# Altium PCB SEEED ORDER METER (BOOTSTRAP).PcbDoc (part 3 of 3)
Units mm, origin at the board's own origin, x right, y up, seen from the top; angles counter-clockwise.
Board outline 150 x 100 mm, 2 copper layers (Top Layer, Bottom Layer); 267 components, 189 nets, 839 pads, 266 vias.
Unrouted connection lines stored in the file: 4.
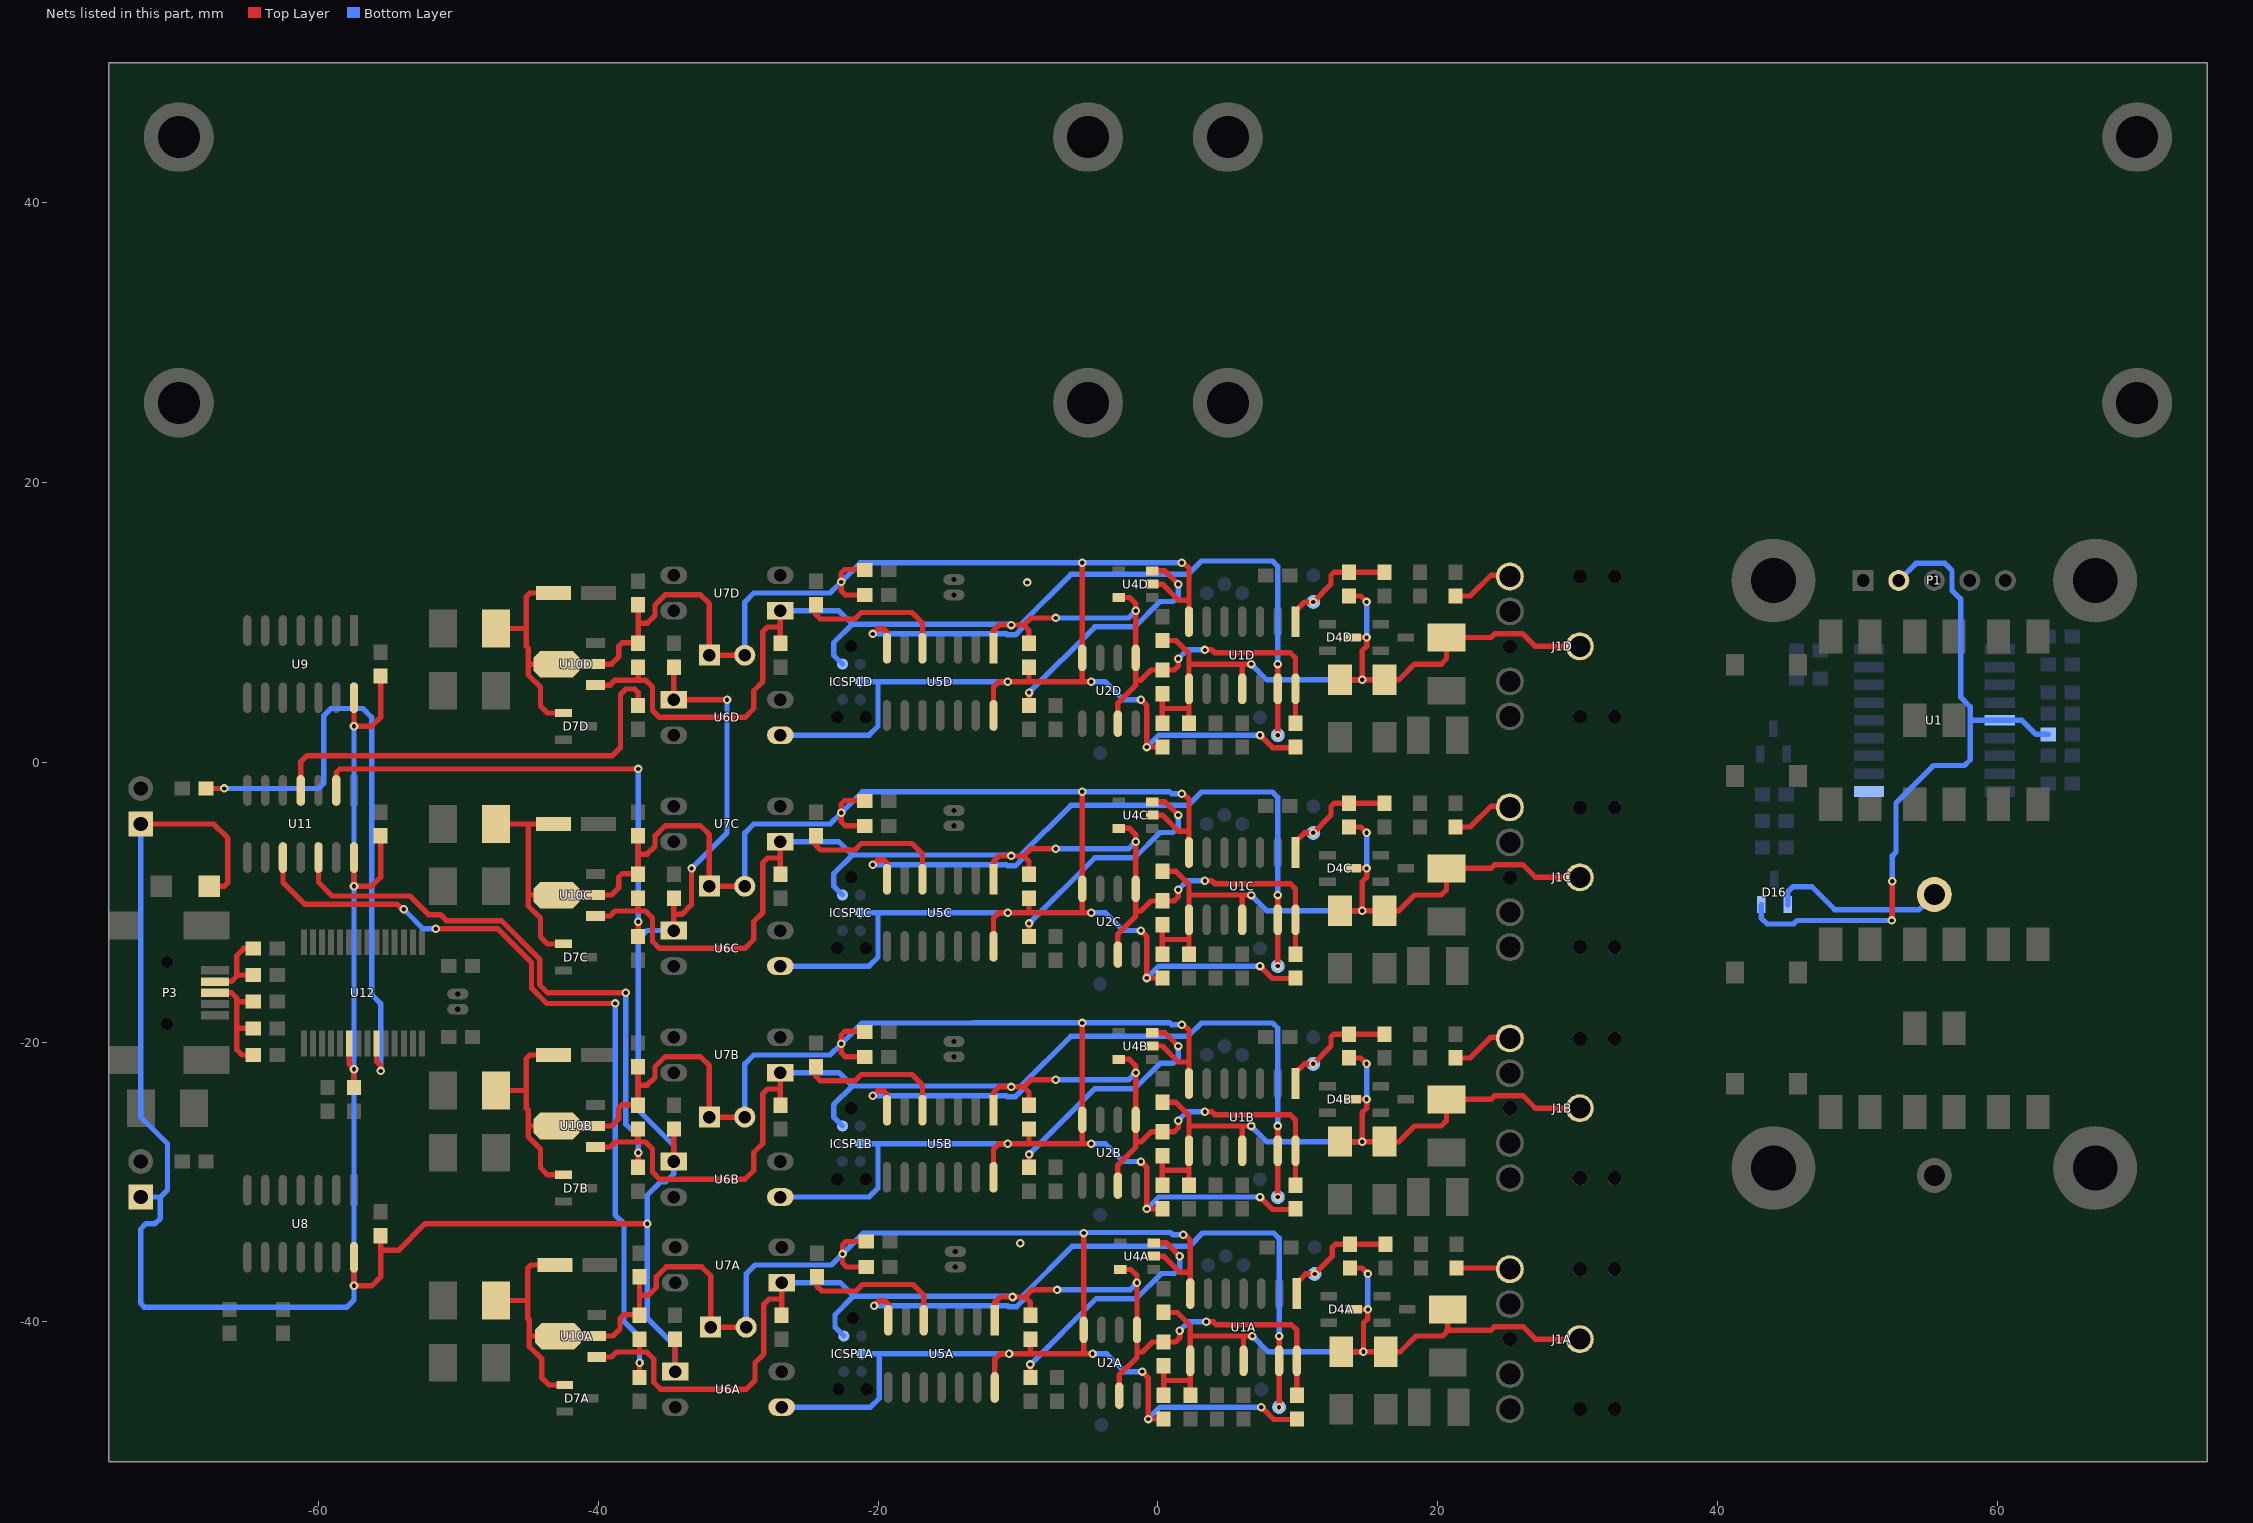
[diagram p3: the nets of this part, all layers, seen from the top]

## Via types
v1: diameter 0.61, hole 0.305, Top Layer to Bottom Layer, 266 vias

## Nets (pads, with @x,y where several pads share a name; then routed paths per layer and width w, separated by ;. In a path a pad name is that pad's centre, name@x,y a point inside that pad or via, vN(x,y) a via of type N, cw(c..) or ccw(c..) an arc to the next point about the centre after c; other vN are vias at no path point) (continued)
TTL_TX1: R20A.1 U11.10 | length 57.8
  Top Layer w0.381: U11.10@-62.554,-6.807 -62.554,-8.598 -61.017,-10.135 -54.413,-10.135 -53.918,-10.63 v1(-53.918,-10.503) ; v1(-51.632,-11.9) -47.192,-11.9 -44.787,-14.305 -44.787,-16.142 -43.695,-17.234 v1(-38.805,-17.234) ; R20A.1@-37.06,-43.976 v1(-37.06,-42.921)
  Bottom Layer w0.381: v1(-53.918,-10.503) -52.521,-11.9 v1(-51.632,-11.9) ; v1(-38.805,-17.234) -38.805,-32.347 -38.17,-32.982 -38.17,-39.967 -37.06,-41.077 v1(-37.06,-42.921)
TTL_TX2: R20B.1 U11.12 | length 40.9
  Top Layer w0.381: U11.12@-60.014,-6.807 -60.014,-8.57 -59.033,-9.55 -53.473,-9.55 -52.14,-10.884 -51.302,-10.884 -50.87,-11.316 -46.95,-11.316 -44.202,-14.063 -44.202,-15.9 -43.631,-16.472 v1(-38.043,-16.472) ; R20B.1@-37.154,-28.957 v1(-37.154,-27.902)
  Bottom Layer w0.381: v1(-38.043,-16.472) -38.043,-25.87 -37.154,-26.759 v1(-37.154,-27.902)
TTL_TX3: R20C.1 U11.2 | length 35
  Top Layer w0.381: U11.2@-58.744,-2.007 -58.744,-0.724 -58.49,-0.47 v1(-37.154,-0.47) ; R20C.1@-37.154,-12.447 v1(-37.154,-11.392)
  Bottom Layer w0.381: v1(-37.154,-11.392) v1(-37.154,-0.47)
TTL_TX4: R20D.1 U11.4 | length 31.6
  Top Layer w0.381: U11.4@-61.284,-2.007 -61.284,0.038 -60.839,0.483 -38.995,0.483 -38.424,1.054 -38.424,4.864 -38.043,5.245 -37.408,5.245 -37.154,4.991 R20D.1@-37.154,4.063
TX_TTLA: R22A.2 U5A.5 | length 10.3
  Top Layer w0.381: R22A.2@-24.36,-37.079 -24.36,-37.46 -24.03,-37.79 -21.578,-37.79 -21.117,-37.33 -17.502,-37.33 -16.74,-38.092 U5A.5@-16.74,-39.746
TX_TTLB: R22B.2 U5B.5 | length 10.3
  Top Layer w0.381: R22B.2@-24.454,-22.06 -24.454,-22.441 -24.124,-22.771 -21.672,-22.771 -21.211,-22.311 -17.596,-22.311 -16.834,-23.073 U5B.5@-16.834,-24.727
TX_TTLC: R22C.2 U5C.5 | length 10.3
  Top Layer w0.381: R22C.2@-24.454,-5.55 -24.454,-5.931 -24.124,-6.261 -21.672,-6.261 -21.211,-5.801 -17.596,-5.801 -16.834,-6.563 U5C.5@-16.834,-8.217
TX_TTLD: R22D.2 U5D.5 | length 10.3
  Top Layer w0.381: R22D.2@-24.454,10.96 -24.454,10.579 -24.124,10.249 -21.672,10.249 -21.211,10.709 -17.596,10.709 -16.834,9.947 U5D.5@-16.834,8.293
TXLED: R27.1 U12.23 | length 44.9
  Top Layer w0.381: R27.1@-68.054,-1.867 v1(-66.745,-1.867) ; U12.23@-55.864,-20.097 -55.864,-21.384 -55.569,-21.679 v1(-55.569,-22.06)
  Bottom Layer w0.381: v1(-66.745,-1.867) -60.014,-1.867 -59.633,-1.486 -59.633,3.34 -59.125,3.848 -56.839,3.848 -56.204,3.213 -56.204,-16.599 -55.569,-17.234 v1(-55.569,-22.06)
USB+: D11.2@-64.674,-19.012 P3.3 R26.1 R28.2 | length 9.2
  Top Layer w0.381: P3.3@-67.409,-16.472 -66.237,-16.472 -65.856,-16.853 -65.856,-16.968 ; R28.2@-64.674,-20.917 -65.475,-20.917 -65.856,-20.536 -65.856,-19.075 ; D11.2@-64.674,-19.012 -65.792,-19.012 -65.856,-19.075 ; R26.1@-64.674,-17.107 -65.717,-17.107 -65.856,-16.968 ; -65.856,-19.075 -65.856,-16.968
USB-: D10.2@-64.674,-13.297 P3.2 R25.1 | length 5.8
  Top Layer w0.381: P3.2@-67.409,-15.672 -66.237,-15.672 -65.856,-15.291 -65.856,-15.202 ; R25.1@-64.674,-15.202 -65.856,-15.202 ; D10.2@-64.674,-13.297 -65.348,-13.297 -65.856,-13.805 -65.856,-15.202
V2.048A: R17A.1 U4A.3 | length 17.5
  Top Layer w0.381: R17A.1@-9.12,-43.976 v1(-9.12,-43.048) ; U4A.3@-0.3,-34.351 0.598,-34.351 v1(1.548,-35.301)
  Bottom Layer w0.381: v1(-9.12,-43.048) -4.421,-38.349 -1.564,-38.349 0.245,-36.54 1.167,-36.54 1.548,-36.159 v1(1.548,-35.301)
V2.048B: R17B.1 U4B.3 | length 17.5
  Top Layer w0.381: R17B.1@-9.214,-28.957 v1(-9.214,-28.029) ; U4B.3@-0.394,-19.332 0.504,-19.332 v1(1.454,-20.282)
  Bottom Layer w0.381: v1(-9.214,-28.029) -4.515,-23.33 -1.658,-23.33 0.151,-21.521 1.073,-21.521 1.454,-21.14 v1(1.454,-20.282)
V2.048C: R17C.1 U4C.3 | length 17.5
  Top Layer w0.381: R17C.1@-9.214,-12.447 v1(-9.214,-11.519) ; U4C.3@-0.394,-2.822 0.504,-2.822 v1(1.454,-3.772)
  Bottom Layer w0.381: v1(-9.214,-11.519) -4.515,-6.82 -1.658,-6.82 0.151,-5.011 1.073,-5.011 1.454,-4.63 v1(1.454,-3.772)
V2.048D: R17D.1 U4D.3 | length 17.5
  Top Layer w0.381: R17D.1@-9.214,4.063 v1(-9.214,4.991) ; U4D.3@-0.394,13.688 0.504,13.688 v1(1.454,12.738)
  Bottom Layer w0.381: v1(-9.214,4.991) -4.515,9.69 -1.658,9.69 0.151,11.499 1.073,11.499 1.454,11.88 v1(1.454,12.738)
V_GND1: C2A.1 C3A.2 D1A.2 D2A.1 D4A.3 J1A.1 R1A.1 R7A.1 R10A.2 R18A.2 U1A.8 U1A.11 | length 53.7
  Top Layer w0.381: C3A.2@0.405,-45.246 0.405,-44.191 ; C2A.1@0.405,-43.136 0.405,-44.191 ; R18A.2@0.405,-39.326 1.382,-39.326 2.31,-40.254 2.31,-41.016 ; R1A.1@2.31,-45.246 2.31,-44.191 ; U1A.11@6.12,-42.781 6.12,-41.016 ; v1@6.628,-41.016 6.12,-41.016 ; D2A.1@13.105,-42.134 v1(14.693,-42.134) ; R10A.2@13.74,-36.151 14.59,-36.151 v1(15.01,-36.571) ; D4A.3@14.005,-39.111 v1(15.01,-39.111) 15.01,-39.746 14.693,-40.063 v1(14.693,-42.134) ; 20.631,-40.602 20.725,-40.602 ; R7A.1@20.725,-39.111 20.725,-40.602 ; J1A.1@30.156,-41.237 26.981,-41.237 26.087,-40.343 24.065,-40.343 23.806,-40.602 20.725,-40.602 ; 0.405,-44.191 2.31,-44.191 ; 2.31,-44.191 U1A.8@2.31,-42.781 2.31,-41.016 ; 2.31,-41.016 6.12,-41.016 ; v1(14.693,-42.134) 17.321,-42.134 18.439,-41.016 20.344,-41.016 20.725,-40.635 20.725,-40.602
  Bottom Layer w0.381: v1(6.755,-41.016) 7.873,-42.134 v1(14.693,-42.134) ; v1(15.01,-39.111) v1(15.01,-36.571)
V_GND2: C2B.1 C3B.2 D1B.2 D2B.1 D4B.3 J1B.1 R1B.1 R7B.1 R10B.2 R18B.2 U1B.8 U1B.11 | length 53.7
  Top Layer w0.381: C3B.2@0.311,-30.227 0.311,-29.172 ; C2B.1@0.311,-28.117 0.311,-29.172 ; R18B.2@0.311,-24.307 1.288,-24.307 2.216,-25.235 2.216,-25.997 ; R1B.1@2.216,-30.227 2.216,-29.172 ; U1B.11@6.026,-27.762 6.026,-25.997 ; v1@6.534,-25.997 6.026,-25.997 ; D2B.1@13.011,-27.115 v1(14.599,-27.115) ; R10B.2@13.646,-21.132 14.496,-21.132 v1(14.916,-21.552) ; D4B.3@13.911,-24.092 v1(14.916,-24.092) 14.916,-24.727 14.599,-25.044 v1(14.599,-27.115) ; J1B.1@30.156,-24.727 26.981,-24.727 26.087,-23.833 24.065,-23.833 23.806,-24.092 R7B.1@20.631,-24.092 20.631,-25.616 20.25,-25.997 18.345,-25.997 17.227,-27.115 v1(14.599,-27.115) ; 0.311,-29.172 2.216,-29.172 ; 2.216,-29.172 U1B.8@2.216,-27.762 2.216,-25.997 ; 2.216,-25.997 6.026,-25.997
  Bottom Layer w0.381: v1(6.661,-25.997) 7.779,-27.115 v1(14.599,-27.115) ; v1(14.916,-24.092) v1(14.916,-21.552)
V_GND3: C2C.1 C3C.2 D1C.2 D2C.1 D4C.3 J1C.1 R1C.1 R7C.1 R10C.2 R18C.2 U1C.8 U1C.11 | length 53.7
  Top Layer w0.381: C3C.2@0.311,-13.717 0.311,-12.662 ; C2C.1@0.311,-11.607 0.311,-12.662 ; R18C.2@0.311,-7.797 1.288,-7.797 2.216,-8.725 2.216,-9.487 ; R1C.1@2.216,-13.717 2.216,-12.662 ; U1C.11@6.026,-11.252 6.026,-9.487 ; v1@6.534,-9.487 6.026,-9.487 ; D2C.1@13.011,-10.605 v1(14.599,-10.605) ; R10C.2@13.646,-4.622 14.496,-4.622 v1(14.916,-5.042) ; D4C.3@13.911,-7.582 v1(14.916,-7.582) 14.916,-8.217 14.599,-8.534 v1(14.599,-10.605) ; J1C.1@30.156,-8.217 26.981,-8.217 26.087,-7.323 24.065,-7.323 23.806,-7.582 R7C.1@20.631,-7.582 20.631,-9.106 20.25,-9.487 18.345,-9.487 17.227,-10.605 v1(14.599,-10.605) ; 0.311,-12.662 2.216,-12.662 ; 2.216,-12.662 U1C.8@2.216,-11.252 2.216,-9.487 ; 2.216,-9.487 6.026,-9.487
  Bottom Layer w0.381: v1(6.661,-9.487) 7.779,-10.605 v1(14.599,-10.605) ; v1(14.916,-7.582) v1(14.916,-5.042)
V_GND4: C2D.1 C3D.2 D1D.2 D2D.1 D4D.3 J1D.1 R1D.1 R7D.1 R10D.2 R18D.2 U1D.8 U1D.11 | length 53.7
  Top Layer w0.381: C3D.2@0.311,2.793 0.311,3.848 ; C2D.1@0.311,4.903 0.311,3.848 ; R18D.2@0.311,8.713 1.288,8.713 2.216,7.785 2.216,7.023 ; R1D.1@2.216,2.793 2.216,3.848 ; U1D.11@6.026,5.258 6.026,7.023 ; v1@6.534,7.023 6.026,7.023 ; D2D.1@13.011,5.905 v1(14.599,5.905) ; R10D.2@13.646,11.888 14.496,11.888 v1(14.916,11.468) ; D4D.3@13.911,8.928 v1(14.916,8.928) 14.916,8.293 14.599,7.976 v1(14.599,5.905) ; J1D.1@30.156,8.293 26.981,8.293 26.087,9.187 24.065,9.187 23.806,8.928 R7D.1@20.631,8.928 20.631,7.404 20.25,7.023 18.345,7.023 17.227,5.905 D1D.2@16.186,5.905 v1(14.599,5.905) ; 0.311,3.848 2.216,3.848 ; 2.216,3.848 U1D.8@2.216,5.258 2.216,7.023 ; 2.216,7.023 6.026,7.023
  Bottom Layer w0.381: v1(6.661,7.023) 7.779,5.905 v1(14.599,5.905) ; v1(14.916,8.928) v1(14.916,11.468)
V_SELECT1: TP7A.1 U1A.13 U5A.7 | length 45.9
  Top Layer w0.381: v1(-20.296,-38.857) -19.937,-38.498 -19.512,-38.498 -19.28,-38.73 U5A.7@-19.28,-39.746 ; v1(8.66,-46.096) U1A.13@8.66,-42.781 v1(8.66,-41.016)
  Bottom Layer w0.381: v1(-20.296,-38.857) -10.743,-38.857 -10.679,-38.92 -10.101,-38.92 -9.628,-38.448 -9.628,-38.095 -6.135,-34.602 2.247,-34.602 3.199,-33.65 8.279,-33.65 8.66,-34.031 v1(8.66,-41.016)
V_SELECT2: TP7B.1 U1B.13 U5B.7 | length 45.9
  Top Layer w0.381: v1(-20.39,-23.838) -20.031,-23.479 -19.606,-23.479 -19.374,-23.711 U5B.7@-19.374,-24.727 ; v1(8.566,-31.077) U1B.13@8.566,-27.762 v1(8.566,-25.997)
  Bottom Layer w0.381: v1(-20.39,-23.838) -10.837,-23.838 -10.773,-23.901 -10.195,-23.901 -9.722,-23.429 -9.722,-23.076 -6.229,-19.583 2.153,-19.583 3.105,-18.631 8.185,-18.631 8.566,-19.012 v1(8.566,-25.997)
V_SELECT3: TP7C.1 U1C.13 U5C.7 | length 45.9
  Top Layer w0.381: v1(-20.39,-7.328) -20.031,-6.969 -19.606,-6.969 -19.374,-7.201 U5C.7@-19.374,-8.217 ; v1(8.566,-14.567) U1C.13@8.566,-11.252 v1(8.566,-9.487)
  Bottom Layer w0.381: v1(-20.39,-7.328) -10.837,-7.328 -10.773,-7.391 -10.195,-7.391 -9.722,-6.919 -9.722,-6.566 -6.229,-3.073 2.153,-3.073 3.105,-2.121 8.185,-2.121 8.566,-2.502 v1(8.566,-9.487)
V_SELECT4: TP7D.1 U1D.13 U5D.7 | length 45.9
  Top Layer w0.381: v1(-20.39,9.182) -20.031,9.541 -19.606,9.541 -19.374,9.309 U5D.7@-19.374,8.293 ; v1(8.566,1.943) U1D.13@8.566,5.258 v1(8.566,7.023)
  Bottom Layer w0.381: v1(-20.39,9.182) -10.837,9.182 -10.773,9.119 -10.195,9.119 -9.722,9.591 -9.722,9.944 -6.229,13.437 2.153,13.437 3.105,14.389 8.185,14.389 8.566,14.008 v1(8.566,7.023)
VBATT: BT1.1 D16.1 | length 12.7
  Bottom Layer w0.381: D16.1@45.02,-10.17 45.02,-9.27 45.401,-8.889 46.737,-8.889 48.388,-10.54 54.41,-10.54 BT1.1@55.5,-9.45
VCC: C1.2 C19.2 C20.2 C21.2 C22.1 D8.1@-72.721,-31.079 D9.1@-72.721,-4.409 D16.2 F2.2 P1.2 R21A.1 R21B.1 R21C.1 R21D.1 U1.14 U6A.1 U6B.1 U6C.1 U6D.1 U8.14 U9.14 U11.14 U12.20 | length 267.5
  Top Layer w0.381: D9.1@-72.721,-4.409 -67.505,-4.409 -66.491,-5.423 -66.491,-8.598 -66.745,-8.852 F2.2@-67.824,-8.852 ; U12.20@-57.814,-20.097 -57.814,-21.593 v1(-57.474,-21.933) C22.1@-57.474,-23.242 ; U8.14@-57.474,-35.382 v1(-57.474,-37.427) -56.204,-37.427 -55.569,-36.792 -55.569,-34.887 ; U11.14@-57.474,-6.807 v1(-57.474,-8.852) -56.204,-8.852 -55.569,-8.217 C19.2@-55.569,-5.257 ; U9.14@-57.474,4.623 v1(-57.474,2.578) -56.204,2.578 -55.569,3.213 C21.2@-55.569,6.173 ; C20.2@-55.569,-33.832 -55.569,-34.887 ; v1(-36.519,-32.982) -52.394,-32.982 -54.299,-34.887 -55.569,-34.887 ; U6B.1@-34.614,-28.537 R21B.1@-34.614,-26.212 ; U6C.1@-34.614,-12.027 -34.614,-10.864 ; R21C.1@-34.614,-9.702 -34.614,-10.864 ; R21D.1@-34.614,6.808 U6D.1@-34.614,4.483 v1(-30.804,4.483) ; U6A.1@-34.52,-43.556 R21A.1@-34.52,-41.231 ; v1(-33.344,-7.582) -33.344,-10.176 -34.033,-10.864 -34.614,-10.864 ; v1(52.452,-11.302) 52.5,-11.35 v1(52.5,-8.5)
  Bottom Layer w0.381: D8.1@-72.721,-31.079 -71.319,-31.079 ; D9.1@-72.721,-4.409 -72.721,-25.355 -70.809,-27.267 -70.809,-30.569 -71.319,-31.079 ; v1(-57.474,2.578) v1(-57.474,-8.852) v1(-57.474,-21.933) v1(-57.474,-37.427) -57.474,-38.443 -57.982,-38.951 -72.46,-38.951 -72.721,-38.69 -72.721,-33.363 -72.34,-32.982 -71.698,-32.982 -71.319,-32.603 -71.319,-31.079 ; U6C.1@-34.614,-12.027 -36.519,-12.027 -37.154,-12.662 -37.154,-24.854 -34.614,-27.394 U6B.1@-34.614,-28.537 -34.614,-29.426 -35.185,-29.997 -35.566,-29.997 -36.519,-30.95 v1(-36.519,-32.982) -36.519,-39.713 -34.52,-41.712 U6A.1@-34.52,-43.556 ; v1(-33.344,-7.582) -30.804,-5.042 v1(-30.804,4.483) ; D16.2@43.12,-10.17 43.12,-11.12 43.56,-11.56 45.44,-11.56 45.698,-11.302 v1(52.452,-11.302) ; v1(52.5,-8.5) 52.5,-6.682 52.765,-6.417 52.765,-2.909 55.448,-0.226 57.659,-0.226 58.071,0.187 58.071,2.855 ; P1.2@52.96,13 54.185,14.225 56.262,14.225 56.77,13.717 56.77,12.295 57.38,11.685 57.38,4.661 58.071,3.969 58.071,2.855 ; C1.2@63.65,2 62.772,2 61.772,3 U1.14@60.175,3 58.216,3 58.071,2.855
VCOMP: U1.1
VNEG1: C1A.1 C3A.1 C11A.2 C12A.1 C13A.1 C14A.2 C15A.1 C16A.2 C17A.2 D7A.1 ICSP1A.3 P2A.1 P2A.2 U1A.7 U2A.4 U4A.2 U5A.14 U6A.3 U10A.2 | length 146.6
  Top Layer w0.381: C14A.2@-46.585,-38.476 -45.061,-38.476 ; C11A.2@-43.105,-35.936 -44.807,-35.936 -45.061,-36.19 -45.061,-38.476 ; D7A.1@-42.405,-44.511 -43.537,-44.511 -44.045,-44.003 -44.045,-42.667 -44.934,-41.778 -44.934,-41.016 ; C12A.1@-37.06,-36.786 -37.06,-38.095 ; P2A.2@-29.44,-40.381 P2A.1@-31.98,-40.381 -31.98,-36.698 -32.615,-36.063 -35.149,-36.063 -35.866,-36.78 -35.866,-37.536 -36.425,-38.095 -37.06,-38.095 ; C16A.2@-20.859,-36.072 -22.253,-36.072 -22.549,-35.776 v1(-22.549,-35.141) -22.549,-34.506 -22.295,-34.252 C17A.2@-20.859,-34.252 ; U5A.14@-11.66,-44.686 -11.66,-42.667 -11.279,-42.286 v1(-10.644,-42.286) -9.12,-42.286 ; C15A.1@-9.12,-41.231 -9.12,-42.286 ; v1(-5.31,-33.65) U2A.4@-5.31,-40.571 -5.31,-42.286 ; v1@-4.929,-42.286 -5.31,-42.286 ; v1(-1.119,-43.556) -0.699,-43.976 v1(-0.699,-46.946) C3A.1@0.405,-46.946 ; U4A.2@-0.3,-35.301 0.405,-35.301 1.548,-36.444 2.31,-36.444 ; v1(1.802,-33.777) 1.929,-33.777 2.31,-34.158 2.31,-36.444 ; U1A.7@2.31,-37.981 2.31,-36.444 ; v1(7.39,-46.096) 8.279,-46.985 9.891,-46.985 C1A.1@9.93,-46.946 ; -45.061,-38.476 -45.061,-39.746 -44.934,-39.873 -44.934,-41.016 ; -44.934,-41.016 U10A.2@-42.892,-41.016 U10A.2@-40.342,-41.016 -38.965,-41.016 -38.457,-40.508 -38.457,-39.746 -38.203,-39.492 -37.06,-39.492 -37.06,-38.095 ; -9.12,-42.286 -5.31,-42.286
  Bottom Layer w0.381: P2A.2@-29.44,-40.381 -29.44,-36.571 -28.805,-35.936 -23.344,-35.936 v1(-22.549,-35.141) -21.058,-33.65 v1(-5.31,-33.65) ; U6A.3@-26.9,-46.096 -20.55,-46.096 -19.915,-45.461 -19.915,-42.319 -19.882,-42.286 ; ICSP1A.3@-21.185,-42.286 -19.882,-42.286 ; v1(-10.644,-42.286) -19.882,-42.286 ; v1@-5.277,-33.617 0.898,-33.617 1.058,-33.777 v1(1.802,-33.777) ; v1(-4.675,-42.286) -3.659,-42.286 -2.389,-43.556 v1(-1.119,-43.556) ; v1(-0.699,-46.946) 0.151,-46.096 v1(7.39,-46.096)
  other v1: -9.849,-34.379
VNEG2: C1B.1 C3B.1 C11B.2 C12B.1 C13B.1 C14B.2 C15B.1 C16B.2 C17B.2 D7B.1 ICSP1B.3 P2B.1 P2B.2 U1B.7 U2B.4 U4B.2 U5B.14 U6B.3 U10B.2 | length 154.5
  Top Layer w0.381: C14B.2@-46.679,-23.457 -45.155,-23.457 ; C11B.2@-43.199,-20.917 -44.901,-20.917 -45.155,-21.171 -45.155,-23.457 ; D7B.1@-42.499,-29.492 -43.631,-29.492 -44.139,-28.984 -44.139,-27.648 -45.028,-26.759 -45.028,-25.997 ; C12B.1@-37.154,-21.767 -37.154,-23.076 ; P2B.2@-29.534,-25.362 P2B.1@-32.074,-25.362 -32.074,-21.679 -32.709,-21.044 -35.243,-21.044 -35.96,-21.761 -35.96,-22.517 -36.519,-23.076 -37.154,-23.076 ; C16B.2@-20.953,-21.053 -22.347,-21.053 -22.643,-20.757 v1(-22.643,-20.122) -22.643,-19.487 -22.389,-19.233 C17B.2@-20.953,-19.233 ; U5B.14@-11.754,-29.667 -11.754,-27.648 -11.373,-27.267 v1(-10.738,-27.267) -9.214,-27.267 ; C15B.1@-9.214,-26.212 -9.214,-27.267 ; v1(-5.404,-18.631) U2B.4@-5.404,-25.552 -5.404,-27.267 ; v1@-5.023,-27.267 -5.404,-27.267 ; v1(-1.213,-28.537) -0.793,-28.957 v1(-0.793,-31.927) C3B.1@0.311,-31.927 ; U4B.2@-0.394,-20.282 0.311,-20.282 1.454,-21.425 2.216,-21.425 ; v1(1.708,-18.758) 1.835,-18.758 2.216,-19.139 2.216,-21.425 ; U1B.7@2.216,-22.962 2.216,-21.425 ; v1(7.296,-31.077) 8.185,-31.966 9.797,-31.966 C1B.1@9.836,-31.927 ; -45.155,-23.457 -45.155,-24.727 -45.028,-24.854 -45.028,-25.997 ; -45.028,-25.997 U10B.2@-42.986,-25.997 U10B.2@-40.436,-25.997 -39.059,-25.997 -38.551,-25.489 -38.551,-24.727 -38.297,-24.473 -37.154,-24.473 -37.154,-23.076 ; -9.214,-27.267 -5.404,-27.267
  Bottom Layer w0.381: P2B.2@-29.534,-25.362 -29.534,-21.552 -28.899,-20.917 -23.438,-20.917 v1(-22.643,-20.122) -21.152,-18.631 v1(-5.404,-18.631) ; U6B.3@-26.994,-31.077 -20.644,-31.077 -20.009,-30.442 -20.009,-27.267 ; ICSP1B.3@-21.279,-27.267 -20.009,-27.267 ; -13.26,-18.613 0.819,-18.613 0.964,-18.758 v1(1.708,-18.758) ; v1(-10.738,-27.267) -20.009,-27.267 ; v1(-4.769,-27.267) -3.753,-27.267 -2.483,-28.537 v1(-1.213,-28.537) ; v1(-0.793,-31.927) 0.057,-31.077 v1(7.296,-31.077)
VNEG3: C1C.1 C3C.1 C11C.2 C12C.1 C13C.1 C14C.2 C15C.1 C16C.2 C17C.2 D7C.1 ICSP1C.3 P2C.1 P2C.2 U1C.7 U2C.4 U4C.2 U5C.14 U6C.3 U10C.2 | length 147.4
  Top Layer w0.381: C14C.2@-47.314,-4.407 -45.409,-4.407 -45.028,-4.407 ; C11C.2@-43.199,-4.407 -45.028,-4.407 ; D7C.1@-42.499,-12.982 -43.631,-12.982 -44.139,-12.474 -44.139,-11.138 -45.028,-10.249 -45.028,-9.487 ; C12C.1@-37.154,-5.257 -37.154,-6.566 ; P2C.2@-29.534,-8.852 P2C.1@-32.074,-8.852 -32.074,-5.169 -32.709,-4.534 -35.243,-4.534 -35.96,-5.251 -35.96,-6.007 -36.519,-6.566 -37.154,-6.566 ; C16C.2@-20.953,-4.543 -22.347,-4.543 -22.643,-4.247 v1(-22.643,-3.612) -22.643,-2.977 -22.389,-2.723 C17C.2@-20.953,-2.723 ; U5C.14@-11.754,-13.157 -11.754,-11.138 -11.373,-10.757 v1(-10.738,-10.757) -9.214,-10.757 ; C15C.1@-9.214,-9.702 -9.214,-10.757 ; v1(-5.404,-2.103) U2C.4@-5.404,-9.042 -5.404,-10.757 ; v1@-5.023,-10.757 -5.404,-10.757 ; v1(-1.213,-12.027) -0.793,-12.447 v1(-0.793,-15.417) C3C.1@0.311,-15.417 ; U4C.2@-0.394,-3.772 0.311,-3.772 1.454,-4.915 2.216,-4.915 ; v1(1.708,-2.248) 1.835,-2.248 2.216,-2.629 2.216,-4.915 ; U1C.7@2.216,-6.452 2.216,-4.915 ; v1(7.296,-14.567) 8.185,-15.456 9.797,-15.456 C1C.1@9.836,-15.417 ; -45.028,-9.487 -45.028,-4.407 ; -45.028,-9.487 U10C.2@-42.986,-9.487 U10C.2@-40.436,-9.487 -39.059,-9.487 -38.551,-8.979 -38.551,-8.217 -38.297,-7.963 -37.154,-7.963 -37.154,-6.566 ; -9.214,-10.757 -5.404,-10.757
  Bottom Layer w0.381: P2C.2@-29.534,-8.852 -29.534,-5.042 -28.899,-4.407 -23.438,-4.407 v1(-22.643,-3.612) -21.134,-2.103 v1(-5.404,-2.103) 0.819,-2.103 0.964,-2.248 v1(1.708,-2.248) ; U6C.3@-26.994,-14.567 -20.644,-14.567 -20.009,-13.932 -20.009,-10.757 ; ICSP1C.3@-21.279,-10.757 -20.009,-10.757 ; v1(-10.738,-10.757) -20.009,-10.757 ; v1(-4.769,-10.757) -3.753,-10.757 -2.483,-12.027 v1(-1.213,-12.027) ; v1(-0.793,-15.417) 0.057,-14.567 v1(7.296,-14.567)
VNEG4: C1D.1 C3D.1 C11D.2 C12D.1 C13D.1 C14D.2 C15D.1 C16D.2 C17D.2 D7D.1 ICSP1D.3 P2D.1 P2D.2 U1D.7 U2D.4 U4D.2 U5D.14 U6D.3 U10D.2 | length 146.4
  Top Layer w0.381: C14D.2@-46.679,9.563 -45.155,9.563 ; C11D.2@-43.199,12.103 -44.901,12.103 -45.155,11.849 -45.155,9.563 ; D7D.1@-42.499,3.528 -43.631,3.528 -44.139,4.036 -44.139,5.372 -45.028,6.261 -45.028,7.023 ; C12D.1@-37.154,11.253 -37.154,9.944 ; P2D.2@-29.534,7.658 P2D.1@-32.074,7.658 -32.074,11.341 -32.709,11.976 -35.243,11.976 -35.96,11.259 -35.96,10.503 -36.519,9.944 -37.154,9.944 ; C16D.2@-20.953,11.967 -22.347,11.967 -22.643,12.263 v1(-22.643,12.898) -22.643,13.533 -22.389,13.787 C17D.2@-20.953,13.787 ; U5D.14@-11.754,3.353 -11.754,5.372 -11.373,5.753 v1(-10.738,5.753) -9.214,5.753 ; C15D.1@-9.214,6.808 -9.214,5.753 ; v1(-5.404,14.262) U2D.4@-5.404,7.468 -5.404,5.753 ; v1@-5.023,5.753 -5.404,5.753 ; v1(-1.213,4.483) -0.793,4.063 v1(-0.793,1.093) C3D.1@0.311,1.093 ; U4D.2@-0.394,12.738 0.311,12.738 1.454,11.595 2.216,11.595 ; v1(1.708,14.262) 1.835,14.262 2.216,13.881 2.216,11.595 ; U1D.7@2.216,10.058 2.216,11.595 ; v1(7.296,1.943) 8.185,1.054 9.797,1.054 C1D.1@9.836,1.093 ; -45.155,9.563 -45.155,8.293 -45.028,8.166 -45.028,7.023 ; -45.028,7.023 U10D.2@-42.987,7.023 U10D.2@-40.436,7.023 -39.059,7.023 -38.551,7.531 -38.551,8.293 -38.297,8.547 -37.154,8.547 -37.154,9.944 ; -9.214,5.753 -5.404,5.753
  Bottom Layer w0.381: P2D.2@-29.534,7.658 -29.534,11.468 -28.899,12.103 -23.438,12.103 v1(-22.643,12.898) -21.279,14.262 v1(-5.404,14.262) v1(1.708,14.262) ; U6D.3@-26.994,1.943 -20.644,1.943 -20.009,2.578 -20.009,5.753 ; ICSP1D.3@-21.279,5.753 -20.009,5.753 ; v1(-10.738,5.753) -20.009,5.753 ; v1(-4.769,5.753) -3.753,5.753 -2.483,4.483 v1(-1.213,4.483) ; v1(-0.793,1.093) 0.057,1.943 v1(7.296,1.943)
  other v1: -9.341,12.865
VOLTS_IN_1A: J1A.2 R6A.1 | length 4.9
  Top Layer w0.381: 22.415,-36.151 R6A.1@21.36,-36.151 25.07,-36.151 J1A.2@25.156,-36.237
VOLTS_IN_1B: J1B.2 R6B.1 | length 4.5
  Top Layer w0.381: R6B.1@21.266,-21.132 22.321,-21.132 23.806,-19.647 25.076,-19.647 J1B.2@25.156,-19.727
VOLTS_IN_1C: J1C.2 R6C.1 | length 4.5
  Top Layer w0.381: R6C.1@21.266,-4.622 22.321,-4.622 23.806,-3.137 25.076,-3.137 J1C.2@25.156,-3.217
VOLTS_IN_1D: J1D.2 R6D.1 | length 4.5
  Top Layer w0.381: R6D.1@21.266,11.888 22.321,11.888 23.806,13.373 25.076,13.373 J1D.2@25.156,13.293
VPOS1: C1A.2 C2A.2 C13A.2 C15A.2 ICSP1A.2 R19A.1 U1A.14 U2A.1 U2A.7 U4A.5 U5A.1 U7A.1 U10A.3 | length 86.2
  Top Layer w0.381: U10A.3@-40.117,-42.516 -39.068,-42.516 -38.711,-42.159 -37.06,-42.159 ; C13A.2@-37.06,-41.231 -37.06,-42.159 ; R19A.1@-26.9,-39.531 -26.9,-38.369 ; U7A.1@-26.9,-37.206 -26.9,-38.369 ; U5A.1@-11.66,-39.746 -11.66,-38.603 -11.279,-38.222 v1(-10.39,-38.222) -9.501,-38.222 ; C15A.2@-9.12,-39.531 -9.12,-38.603 -9.501,-38.222 ; v1(-7.215,-37.714) -8.993,-37.714 -9.501,-38.222 ; U2A.7@-2.77,-45.271 -2.77,-43.81 -1.5,-42.54 -1.5,-42.159 ; U4A.5@-2.7,-36.251 -1.947,-36.251 -1.5,-36.698 v1(-1.5,-37.206) U2A.1@-1.5,-40.571 -1.5,-42.159 ; v1(1.548,-40.635) 1.548,-41.143 1.255,-41.436 -0.396,-41.436 -1.119,-42.159 -1.5,-42.159 ; v1(3.453,-40) 3.961,-40 4.164,-40.203 9.549,-40.203 9.93,-40.584 U1A.14@9.93,-42.781 C1A.2@9.93,-45.246 ; -37.06,-42.159 -36.552,-42.159 -36.044,-42.667 -36.044,-44.318 -35.536,-44.826 -29.44,-44.826 -28.805,-44.191 -28.805,-42.921 -28.17,-42.286 -28.17,-38.73 -27.809,-38.369 -26.9,-38.369
  Bottom Layer w0.381: U7A.1@-26.9,-37.206 -22.709,-37.206 -21.756,-38.158 ; ICSP1A.2@-22.455,-41.016 -23.09,-40.381 -23.09,-39.492 -21.756,-38.158 ; v1(-10.39,-38.222) -10.453,-38.158 -21.756,-38.158 ; v1(-7.215,-37.714) -2.008,-37.714 v1(-1.5,-37.206) ; v1(1.548,-40.635) 2.183,-40 v1(3.453,-40)
VPOS2: C1B.2 C2B.2 C13B.2 C15B.2 ICSP1B.2 R19B.1 U1B.14 U2B.1 U2B.7 U4B.5 U5B.1 U7B.1 U10B.3 | length 86.2
  Top Layer w0.381: U10B.3@-40.211,-27.497 -39.162,-27.497 -38.805,-27.14 -37.154,-27.14 ; C13B.2@-37.154,-26.212 -37.154,-27.14 ; R19B.1@-26.994,-24.512 -26.994,-23.35 ; U7B.1@-26.994,-22.187 -26.994,-23.35 ; U5B.1@-11.754,-24.727 -11.754,-23.584 -11.373,-23.203 v1(-10.484,-23.203) -9.595,-23.203 ; C15B.2@-9.214,-24.512 -9.214,-23.584 -9.595,-23.203 ; v1(-7.309,-22.695) -9.087,-22.695 -9.595,-23.203 ; U2B.7@-2.864,-30.252 -2.864,-28.791 -1.594,-27.521 -1.594,-27.14 ; U4B.5@-2.794,-21.232 -2.041,-21.232 -1.594,-21.679 v1(-1.594,-22.187) U2B.1@-1.594,-25.552 -1.594,-27.14 ; v1(1.454,-25.616) 1.454,-26.124 1.161,-26.417 -0.49,-26.417 -1.213,-27.14 -1.594,-27.14 ; v1(3.359,-24.981) 3.867,-24.981 4.07,-25.184 9.455,-25.184 9.836,-25.565 U1B.14@9.836,-27.762 C1B.2@9.836,-30.227 ; -37.154,-27.14 -36.646,-27.14 -36.138,-27.648 -36.138,-29.299 -35.63,-29.807 -29.534,-29.807 -28.899,-29.172 -28.899,-27.902 -28.264,-27.267 -28.264,-23.711 -27.903,-23.35 -26.994,-23.35
  Bottom Layer w0.381: U7B.1@-26.994,-22.187 -22.803,-22.187 -21.85,-23.139 ; ICSP1B.2@-22.549,-25.997 -23.184,-25.362 -23.184,-24.473 -21.85,-23.139 ; v1(-10.484,-23.203) -10.547,-23.139 -21.85,-23.139 ; v1(-7.309,-22.695) -2.102,-22.695 v1(-1.594,-22.187) ; v1(1.454,-25.616) 2.089,-24.981 v1(3.359,-24.981)
VPOS3: C1C.2 C2C.2 C13C.2 C15C.2 ICSP1C.2 R19C.1 U1C.14 U2C.1 U2C.7 U4C.5 U5C.1 U7C.1 U10C.3 | length 86.2
  Top Layer w0.381: U10C.3@-40.211,-10.987 -39.162,-10.987 -38.805,-10.63 -37.154,-10.63 ; C13C.2@-37.154,-9.702 -37.154,-10.63 ; R19C.1@-26.994,-8.002 -26.994,-6.84 ; U7C.1@-26.994,-5.677 -26.994,-6.84 ; U5C.1@-11.754,-8.217 -11.754,-7.074 -11.373,-6.693 v1(-10.484,-6.693) -9.595,-6.693 ; C15C.2@-9.214,-8.002 -9.214,-7.074 -9.595,-6.693 ; v1(-7.309,-6.185) -9.087,-6.185 -9.595,-6.693 ; U2C.7@-2.864,-13.742 -2.864,-12.281 -1.594,-11.011 -1.594,-10.63 ; U4C.5@-2.794,-4.722 -2.041,-4.722 -1.594,-5.169 v1(-1.594,-5.677) U2C.1@-1.594,-9.042 -1.594,-10.63 ; v1(1.454,-9.106) 1.454,-9.614 1.161,-9.907 -0.49,-9.907 -1.213,-10.63 -1.594,-10.63 ; v1(3.359,-8.471) 3.867,-8.471 4.07,-8.674 9.455,-8.674 9.836,-9.055 U1C.14@9.836,-11.252 C1C.2@9.836,-13.717 ; -37.154,-10.63 -36.646,-10.63 -36.138,-11.138 -36.138,-12.789 -35.63,-13.297 -29.534,-13.297 -28.899,-12.662 -28.899,-11.392 -28.264,-10.757 -28.264,-7.201 -27.903,-6.84 -26.994,-6.84
  Bottom Layer w0.381: U7C.1@-26.994,-5.677 -22.803,-5.677 -21.85,-6.629 ; ICSP1C.2@-22.549,-9.487 -23.184,-8.852 -23.184,-7.963 -21.85,-6.629 ; v1(-10.484,-6.693) -10.547,-6.629 -21.85,-6.629 ; v1(-7.309,-6.185) -2.102,-6.185 v1(-1.594,-5.677) ; v1(1.454,-9.106) 2.089,-8.471 v1(3.359,-8.471)
VPOS4: C1D.2 C2D.2 C13D.2 C15D.2 ICSP1D.2 R19D.1 U1D.14 U2D.1 U2D.7 U4D.5 U5D.1 U7D.1 U10D.3 | length 86.2
  Top Layer w0.381: U10D.3@-40.211,5.523 -39.162,5.523 -38.805,5.88 -37.154,5.88 ; C13D.2@-37.154,6.808 -37.154,5.88 ; R19D.1@-26.994,8.508 -26.994,9.67 ; U7D.1@-26.994,10.833 -26.994,9.67 ; U5D.1@-11.754,8.293 -11.754,9.436 -11.373,9.817 v1(-10.484,9.817) -9.595,9.817 ; C15D.2@-9.214,8.508 -9.214,9.436 -9.595,9.817 ; v1(-7.309,10.325) -9.087,10.325 -9.595,9.817 ; U2D.7@-2.864,2.768 -2.864,4.229 -1.594,5.499 -1.594,5.88 ; U4D.5@-2.794,11.788 -2.041,11.788 -1.594,11.341 v1(-1.594,10.833) U2D.1@-1.594,7.468 -1.594,5.88 ; v1(1.454,7.404) 1.454,6.896 1.161,6.603 C2D.2@0.311,6.603 -0.49,6.603 -1.213,5.88 -1.594,5.88 ; v1(3.359,8.039) 3.867,8.039 4.07,7.836 9.455,7.836 9.836,7.455 U1D.14@9.836,5.258 C1D.2@9.836,2.793 ; -37.154,5.88 -36.646,5.88 -36.138,5.372 -36.138,3.721 -35.63,3.213 -29.534,3.213 -28.899,3.848 -28.899,5.118 -28.264,5.753 -28.264,9.309 -27.903,9.67 -26.994,9.67
  Bottom Layer w0.381: U7D.1@-26.994,10.833 -22.803,10.833 -21.85,9.881 ; ICSP1D.2@-22.549,7.023 -23.184,7.658 -23.184,8.547 -21.85,9.881 ; v1(-10.484,9.817) -10.547,9.881 -21.85,9.881 ; v1(-7.309,10.325) -2.102,10.325 v1(-1.594,10.833) ; v1(1.454,7.404) 2.089,8.039 v1(3.359,8.039)
VTAPA: R9A.2 R10A.1 TP8A.1 U1A.1 | length 8.6
  Top Layer w0.381: U1A.1@9.93,-37.981 9.93,-37.206 10.565,-36.571 v1(11.2,-36.571) 12.47,-35.301 12.47,-34.666 12.685,-34.451 R10A.1@13.74,-34.451 R9A.2@16.28,-34.451
VTAPB: R9B.2 R10B.1 TP8B.1 U1B.1 | length 8.6
  Top Layer w0.381: U1B.1@9.836,-22.962 9.836,-22.187 10.471,-21.552 v1(11.106,-21.552) 12.376,-20.282 12.376,-19.647 12.591,-19.432 R10B.1@13.646,-19.432 R9B.2@16.186,-19.432
VTAPC: R9C.2 R10C.1 TP8C.1 U1C.1 | length 8.6
  Top Layer w0.381: U1C.1@9.836,-6.452 9.836,-5.677 10.471,-5.042 v1(11.106,-5.042) 12.376,-3.772 12.376,-3.137 12.591,-2.922 R10C.1@13.646,-2.922 R9C.2@16.186,-2.922
VTAPD: R9D.2 R10D.1 TP8D.1 U1D.1 | length 8.6
  Top Layer w0.381: U1D.1@9.836,10.058 9.836,10.833 10.471,11.468 v1(11.106,11.468) 12.376,12.738 12.376,13.373 12.591,13.588 R10D.1@13.646,13.588 R9D.2@16.186,13.588
pads on no net: D3A.2 D3B.2 D3C.2 D3D.2 D4A.2 D4B.2 D4C.2 D4D.2 D15.1 ICSP1A.6 ICSP1A.A ICSP1A.B ICSP1A.C ICSP1B.6 ICSP1B.A ICSP1B.B ICSP1B.C ICSP1C.6 ICSP1C.A ICSP1C.B ICSP1C.C ICSP1D.6 ICSP1D.A ICSP1D.B ICSP1D.C J1A.0 J1A.3 J1A.4 J1B.0 J1B.3 J1B.4 J1C.0 J1C.3 J1C.4 J1D.0 J1D.3 J1D.4 P3.4 P3.MT U1.18 U2A.5 U2A.8 U2B.5 U2B.8 U2C.5 U2C.8 U2D.5 U2D.8 U11.6 U11.8 U12.2 U12.3 U12.6 U12.8 U12.9 U12.10 U12.11 U12.12 U12.13 U12.14 U12.21 U12.24
copper on no net:
  other v1: -25.089,-45.047 -25.089,-29.807 -25.089,-13.297 -25.089,3.213

## Polygon pours and split planes (outlines as drawn)
no net on Bottom Layer "Mechanical 1-No Net" (solid, pour order 2): 2,26.95 ccw(c6.5,26.95) 6.5,22.45 68.5,22.45 ccw(c68.5,26.95) 73,26.95 73,43.45 ccw(c68.5,43.45) 68.5,47.95 6.5,47.95 ccw(c6.5,43.45) 2,43.45
no net on Bottom Layer "Mechanical 1-No Net" (solid, pour order 2): 2,26.95 ccw(c6.5,26.95) 6.5,22.45 68.5,22.45 ccw(c68.5,26.95) 73,26.95 73,43.45 ccw(c68.5,43.45) 68.5,47.95 6.5,47.95 ccw(c6.5,43.45) 2,43.45
no net on Bottom Layer "Mechanical 1-No Net" (solid, pour order 3): -73,26.95 ccw(c-68.5,26.95) -68.5,22.45 -6.5,22.45 ccw(c-6.5,26.95) -2,26.95 -2,43.45 ccw(c-6.5,43.45) -6.5,47.95 -68.5,47.95 ccw(c-68.5,43.45) -73,43.45
VNEG1 on Bottom Layer "Bottom Layer-No Net" (solid, remove dead copper, pour order 30): -6.547,-32.982 -6.547,-47.493 -26.994,-47.493 -26.994,-32.982 -6.547,-32.982
VNEG2 on Bottom Layer "Bottom Layer-No Net" (solid, remove dead copper, pour order 29): -6.547,-16.853 -6.547,-32.474 -26.994,-32.474 -26.994,-16.853 -6.547,-16.853
VNEG3 on Bottom Layer "Bottom Layer-No Net" (solid, remove dead copper, pour order 28): -6.547,-0.343 -6.547,-15.964 -26.994,-15.964 -26.994,-0.343 -6.547,-0.343
VNEG4 on Bottom Layer "Bottom Layer-No Net" (solid, remove dead copper, pour order 27): -6.547,16.167 -6.547,0.546 -26.994,0.546 -26.994,16.167 -6.547,16.167
V_GND3 on Bottom Layer "Bottom Layer-No Net" (solid, remove dead copper, pour order 22): 34.474,-15.964 -6.039,-15.964 -6.039,-0.343 34.474,-0.343 34.474,-15.964
V_GND2 on Bottom Layer "Bottom Layer-No Net" (solid, remove dead copper, pour order 21): 34.474,-32.474 -6.039,-32.474 -6.039,-16.853 34.474,-16.853 34.474,-32.474
V_GND1 on Bottom Layer "Bottom Layer-No Net" (solid, remove dead copper, pour order 20): 34.474,-48.984 -6.039,-48.984 -6.039,-33.363 34.474,-33.363 34.474,-48.984
V_GND4 on Bottom Layer "Bottom Layer-No Net" (solid, remove dead copper, pour order 19): 34.474,0.546 -6.039,0.546 -6.039,16.167 34.474,16.167 34.474,0.546
GND on Bottom Layer "Bottom Layer-No Net" (solid, remove dead copper, pour order 35): -48.99,-47.841 -48.99,14.928 -75.009,14.928 -75.009,-47.872 -48.99,-47.872
GND on Bottom Layer "GND" (solid, remove dead copper, pour order 4): 67,-33.127 44,-33.127 cw(c44,-33) 43.999,-33.127 cw(c44,-29) 39.873,-29 39.873,13 cw(c44,13) 44,17.127 67,17.127 cw(c67,17) 67.001,17.127 ccw(c67,12.996) 67,17.127 67.001,17.127 cw(c67,13) 71.127,13 71.127,-29 cw(c67,-29)
no net on Top Layer "Mechanical 1-No Net" (solid, pour order 2): 2,26.95 ccw(c6.5,26.95) 6.5,22.45 68.5,22.45 ccw(c68.5,26.95) 73,26.95 73,43.45 ccw(c68.5,43.45) 68.5,47.95 6.5,47.95 ccw(c6.5,43.45) 2,43.45
no net on Top Layer "Mechanical 1-No Net" (solid, pour order 2): 2,26.95 ccw(c6.5,26.95) 6.5,22.45 68.5,22.45 ccw(c68.5,26.95) 73,26.95 73,43.45 ccw(c68.5,43.45) 68.5,47.95 6.5,47.95 ccw(c6.5,43.45) 2,43.45
no net on Top Layer "Mechanical 1-No Net" (solid, pour order 40): -73,26.95 ccw(c-68.5,26.95) -68.5,22.45 -6.5,22.45 ccw(c-6.5,26.95) -2,26.95 -2,43.45 ccw(c-6.5,43.45) -6.5,47.95 -68.5,47.95 ccw(c-68.5,43.45) -73,43.45
V_GND4 on Top Layer "Bottom Layer-No Net" (solid, remove dead copper, pour order 26): 34.474,0.546 -6.039,0.546 -6.039,16.167 34.474,16.167 34.474,0.546
V_GND1 on Top Layer "Bottom Layer-No Net" (solid, remove dead copper, pour order 25): 34.474,-48.984 -6.039,-48.984 -6.039,-33.363 34.474,-33.363 34.474,-48.984
V_GND2 on Top Layer "Bottom Layer-No Net" (solid, remove dead copper, pour order 24): 34.474,-32.474 -6.039,-32.474 -6.039,-16.853 34.474,-16.853 34.474,-32.474
V_GND3 on Top Layer "Bottom Layer-No Net" (solid, remove dead copper, pour order 23): 34.474,-15.964 -6.039,-15.964 -6.039,-0.343 34.474,-0.343 34.474,-15.964
VNEG4 on Top Layer "Bottom Layer-No Net" (solid, remove dead copper, pour order 34): -6.547,16.167 -6.547,0.546 -26.994,0.546 -26.994,16.167 -6.547,16.167
VNEG3 on Top Layer "Bottom Layer-No Net" (solid, remove dead copper, pour order 33): -6.547,-0.343 -6.547,-15.964 -26.994,-15.964 -26.994,-0.343 -6.547,-0.343
VNEG2 on Top Layer "Bottom Layer-No Net" (solid, remove dead copper, pour order 32): -6.547,-16.853 -6.547,-32.474 -26.994,-32.474 -26.994,-16.853 -6.547,-16.853
VNEG1 on Top Layer "Bottom Layer-No Net" (solid, remove dead copper, pour order 31): -6.547,-32.982 -6.547,-47.493 -26.994,-47.493 -26.994,-32.982 -6.547,-32.982
GND on Top Layer "Bottom Layer-No Net" (solid, remove dead copper, pour order 36): -48.99,-47.841 -48.99,14.928 -75.009,14.928 -75.009,-47.872 -48.99,-47.872
GND on Top Layer "GND" (solid, remove dead copper, pour order 5): 67,-33.127 44,-33.127 cw(c44,-33) 43.999,-33.127 cw(c44,-29) 39.873,-29 39.873,13 cw(c44,13) 44,17.127 67,17.127 cw(c67,17) 67.001,17.127 ccw(c67,12.996) 67,17.127 67.001,17.127 cw(c67,13) 71.127,13 71.127,-29 cw(c67,-29)

## Keep-outs
Keep-Out Layer:
  lines w0.254: 33.204,-47.872 33.585,-47.872 ; -75.009,14.928 -75.009,-47.872 33.585,-47.872 ; -75.009,14.928 -75.009,14.928 ; -75.009,14.928 33.554,14.928 33.585,14.928 33.585,-47.872 ; 44,-33 cw(c44,-29) 40,-29 40,13 cw(c44,13) 44,17 67,17 ; 44,-33 44,-33 ; 44,-33 67,-33 ccw(c67,-29) 71,-29 71,13 ccw(c67,13) 67,17 ; 67,17 67,17 ; 70.833,-12.148 70.833,-12.148

## Silkscreen, mask and mechanical layers (free items; w line width, h text height)
Top Overlay:
  drawing of 78 lines, arcs and shapes, not listed
  text "NASCO" at -40.542,41.46 h3.1
  text "NASCO" at 34.458,41.46 h3.1
  text "1" at -57.947,29.75 h6.35
  text "2" at -41.691,29.75 h6.35
  text "3" at -25.181,29.75 h6.35
  text "4" at -8.671,29.75 h6.35
  text "Rx" at 23.276,27.845 h2.54
  text "USB" at 36.103,27.845 h2.54
  text "Tx" at 49.946,27.845 h2.54
  text "Bootstrap" at -52,23.75 h6.35
  text "Multichannel Meter" at 9,23.75 h6.35
  text "⋮" at 43.562,-3.682 h8.89 r270
Bottom Overlay:
  drawing of 91 lines, arcs and shapes, not listed
  text "SA" at -48.978,6.86 h2.67 r270
  text "BY" at -48.978,1.823 h2.67 r270
  text "⋮" at 65.279,-12.318 h8.89 r270
  text "SA" at 67.678,-14.649 h1.04 r270
  text "BY" at 67.678,-16.607 h1.04 r270
  text "NASCO" at -57.977,-21.01 h4.57 r270
  text "⋮" at -9.544,-41.466 h50.8 r270
  text "http://ludzinc.blogspot.com.au" at -70.115,-43.389 h4.57 r270
  text "V000  16122013" at -47.06,-46.825 h2.54 r270
  text "NASCO MULTICHANNEL METER" at -44.368,-46.927 h2.54 r270
Mechanical 1:
  circle w0.254: c24.2,31.9 r1.5
  circle w0.254: c50.868,31.906 r1.5
  circle w0.254: c-45.755,32.234 r3.2
  circle w0.254: c-62.265,32.234 r3.2
  circle w0.254: c-12.735,32.234 r3.2
  circle w0.254: c-29.245,32.234 r3.2
  lines w0.254: 34.991,-47.46 34.982,-47.46 ; 42,32.75 42,30.75 ; 34.982,-47.46 34.982,-50 -75,-50 -75,17.056 34.991,17.056 34.991,14.516 33.585,14.516 33.585,-47.46 34.982,-47.46 ; 42,30.75 cw(c41,30.75) 41,29.75 34,29.75 cw(c34,30.75) 33,30.75 33,33 cw(c34,33) 34,34 35,34 41,34 cw(c41,33) 42,33 42,30.75 ; 44,-33 cw(c44,-29) 40,-29 40,13 cw(c44,13) 44,17 67,17 ; 44,-33 44,-33 ; 44,-33 67,-33 ccw(c67,-29) 71,-29 71,13 ccw(c67,13) 67,17 ; 67,17 67,17 ; -73,26.95 ccw(c-68.5,26.95) -68.5,22.45 -37.5,22.45 -6.5,22.45 ccw(c-6.5,26.95) -2,26.95 -2,35.2 -2,43.45 ccw(c-6.5,43.45) -6.5,47.95 -37.5,47.95 -68.5,47.95 ccw(c-68.5,43.45) -73,43.45 -73,35.2 -73,26.95 ; 2,26.95 ccw(c6.5,26.95) 6.5,22.45 37.5,22.45 68.5,22.45 ccw(c68.5,26.95) 73,26.95 73,35.2 73,43.45 ccw(c68.5,43.45) 68.5,47.95 37.5,47.95 6.5,47.95 ccw(c6.5,43.45) 2,43.45 2,35.2 2,26.95
Mechanical 2:
  drawing of 178 lines, arcs and shapes, not listed
Mechanical 3:
  lines w0.254: -62.824,29.772 -62.265,29.772 -61.724,29.772 ; -62.265,28.734 -62.265,32.234 -62.265,28.734 ; -45.755,28.734 -45.755,32.234 -45.755,28.734 ; -29.245,28.734 -29.245,32.234 -29.245,28.734 ; -12.735,28.734 -12.735,32.234 -12.735,28.734
Mechanical 8:
  the board outline again, w0.254
Mechanical 11:
  lines w0.254: -62.265,29.75 -12.735,29.75 -62.265,29.75